# Allegro board T736_DEMO_DBOARD_V0-5-draft.brd (continued)
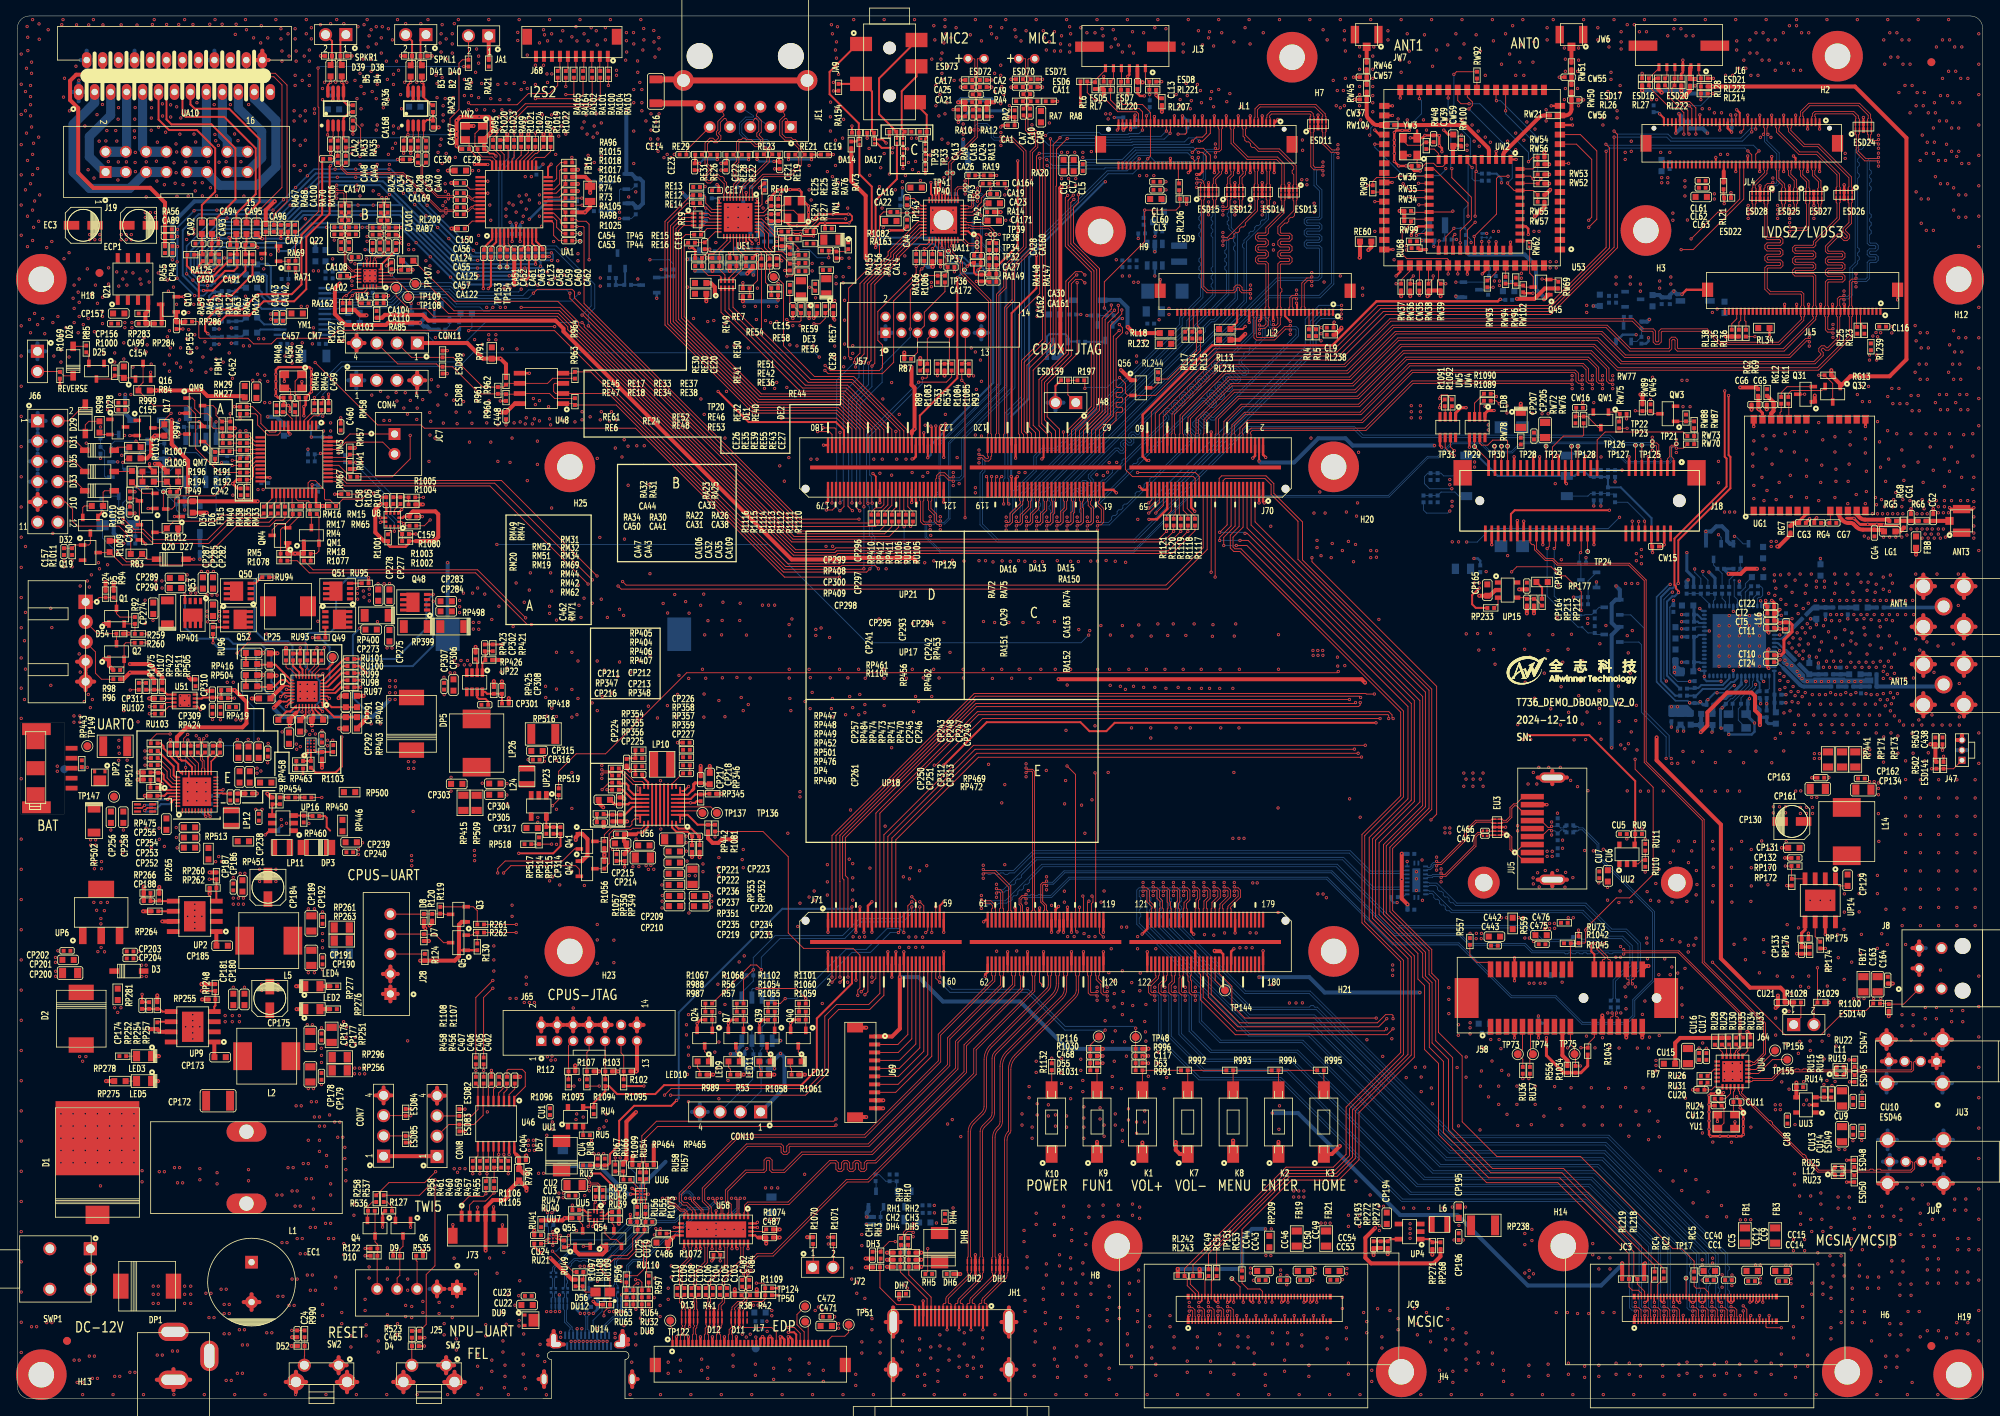
[diagram p0: board, top side]
## Copper pours and planes (outline as drawn; the poured copper is in the pictures) (continued)
GND on BOTTOM: 187.58,125.73 181.23,125.73 178.05,122.56 178.05,121.41 178.44,121.03 200.41,121.03 201.17,120.27 207.14,120.27 209.42,122.56 209.42,130.05 212.09,132.72 212.09,134.49 211.2,135.38 205.99,135.38 204.34,133.73 195.58,133.73
GND on BOTTOM: 138.18,142.11 139.57,142.11 139.7,141.99 139.7,140.72 139.32,140.34 138.18,140.34 138.05,140.46 138.05,141.99
GND on BOTTOM: 76.38,0.25 76.38,4.69 76.86,5.53 76.12,6.15 73.99,6.15 73.99,8.74 74.83,9.58 76.73,9.58 78.36,11.2 78.36,15.93 84.68,22.25 92.86,22.25 93.6,21.51 95.55,21.51 97.03,20.04 97.03,11.23 98.48,9.78 103.12,9.78 104.78,11.43 104.78,19.94 105.79,20.96 113.67,20.96 114.05,21.34 114.05,24.64 114.43,25.02 154.25,25.02 167.77,11.51 180.49,11.51 187.05,4.95 218.69,4.95 220.98,7.24 220.98,30.1 232.66,41.78 232.66,51.44 232.16,51.94 229.49,51.94 228.6,51.05 228.6,44.2 214.88,30.48 214.88,20.19 214.5,19.81 213.49,19.81 206.25,27.05 206.25,27.31 200.2,33.35 180.21,33.35 168.48,45.09 168.48,49.48 175.13,56.13 188.85,56.13 189.74,55.25 192.53,55.25 192.56,55.27 198.7,55.27 198.91,55.07 198.91,48.21 199.11,48.01 201.04,48.01 201.22,48.18 201.22,51.59 201.3,51.66 202.49,51.66 202.74,51.92 202.74,52.68 203.76,53.7 203.76,57.38 201.85,59.28 199.95,59.28 196.75,62.48 182.58,62.48 181.36,63.7 181.36,70.03 186.08,74.75 186.08,90.53 191.85,96.29 195.35,96.29 196.52,95.12 198.63,95.12 199.16,94.59 199.16,81.36 199.42,81.1 200.05,81.1 200.3,81.36 200.3,93.88 200.66,94.23 202.69,94.23 203.2,93.73 203.2,83.26 203.91,82.55 219.56,82.55 220.7,83.69 245.95,83.69 245.95,1.63 244.57,0.26 79.35,0.26 79.35,0.25
GND on BOTTOM: 61.34,130.43 99.31,130.43 101.98,127.76 101.98,111.51 105.16,108.33 105.16,104.27 106.05,103.38 108.08,103.38 108.2,103.5 108.2,109.22 108.31,109.32 108.31,112.22 107.57,112.95 107.57,120.65 114.05,127.13 114.05,132.08 114.17,132.21 121.16,132.21 121.67,131.7 121.67,127.38 113.54,119.25 113.54,117.98 114.81,116.71 114.81,113.79 114.55,113.54 114.55,110.49 114.43,110.36 114.05,110.36 113.41,109.73 113.41,107.82 115.57,105.66 140.26,105.66 147.12,112.52 174.37,112.52 175.51,111.38 175.51,107.57 164.16,96.22 161.16,96.22 159.31,94.36 136.4,94.36 135.25,95.5 106.43,95.5 94.23,107.7 56.16,107.7 51.33,112.52 48.39,112.52 43.97,116.94 43.97,125.83 44.63,126.49 48.41,126.49 48.82,126.9 48.82,128.27 49.58,129.03 55.68,129.03 57.05,130.4 61.32,130.4
GND on BOTTOM: 81.15,99.06 84.96,99.06 85.09,98.93 85.09,93.6 84.84,93.34 81.03,93.34 80.77,93.6 80.77,98.68
GND on BOTTOM: 176.78,115.44 179.58,115.44 179.71,115.32 179.71,114.43 179.58,114.3 176.78,114.3 176.66,114.43 176.66,115.32
GND on BOTTOM: 245.67,142.5 245.57,142.61 245.57,171.78 245.31,172.41 244.68,172.67 101.6,172.67 101.6,160.78 101.6,156.21 80.77,156.21 80.77,172.67 13.34,172.67 13.34,173.05 244.68,173.05 245.57,172.68 245.95,171.78 245.95,142.45 245.88,142.36 245.77,142.39
GND on BOTTOM: 142.62,165.48 150.5,165.48 154.69,161.29 161.04,161.29 164.08,158.24 164.08,155.19 163.7,154.81 162.56,154.81 161.29,153.54 160.66,153.54 158.88,151.76 150.75,151.76 149.73,152.78 149.73,156.97 146.81,159.89 142.75,159.89 142.24,160.4 142.24,165.1
GND on BOTTOM: 110.74,151.38 112.27,151.38 112.39,151.51 112.39,152.65 112.27,152.78 110.62,152.78 110.49,152.65 110.49,151.64
GND on BOTTOM: 185.39,138.33 186.59,138.33 186.77,138.51 186.77,140.51 186.31,140.97 185.04,140.97 184.91,140.84 184.91,140.34 184.78,140.21 184.78,139.83 185.29,139.32 185.29,138.43
GND on BOTTOM: 94.49,144.53 96.39,144.53 96.65,144.27 97.28,144.27 97.41,144.15 97.41,143.38 97.28,143.26 94.49,143.26 94.36,143.38 94.36,144.4
GND on BOTTOM: 43.31,140 44.09,139.22 44.88,139.22 45.59,139.93 45.59,142.42 45.47,142.54 43.56,142.54 43.51,142.49 43.51,141.91 43.31,141.71
GND on BOTTOM: 114.07,150.01 114.45,150.39 118.03,150.39 118.11,150.32 118.11,146.08 117.91,145.87 114.25,145.87 114.07,146.05
GND on BOTTOM: 20.04,102.63 20.04,103.95 20.13,104.04 24.94,104.04 25.08,103.9 25.08,102.48 24.97,102.36 20.31,102.36
GND on BOTTOM: 16.64,78.74 21.46,78.74 24,81.28 32.64,81.28 34.42,79.5 34.42,72.14 30.73,68.45 16.89,68.45 16,69.34 16,72.52 16.38,72.9 17.27,72.9 18.29,73.91 19.3,73.91 19.81,74.42 19.81,75.18 19.43,75.56 16.64,75.56 16.13,76.07 16.13,78.23
GND on BOTTOM: 101.6,140.84 103.63,140.84 103.76,140.72 103.76,139.7 103.63,139.57 101.6,139.57 101.47,139.7 101.47,140.72
GND on BOTTOM: 114.12,21.37 116.05,21.37 116.18,21.5 116.18,24.59 116,24.77 114.17,24.77 114,24.59 114,21.5
GND on BOTTOM: 235.06,121.67 232.77,123.95 223.9,123.95 222.12,125.73 220.85,125.73 219.08,127.51 219.08,128.78 219.46,129.16 233.93,129.16 234.44,129.67 234.44,136.91 233.55,137.8 233.55,157.86 233.3,158.12 231.27,158.12 229.87,156.72 229.87,142.88 229.11,142.11 229.11,139.95 228.35,139.19 228.35,137.8 227.84,137.29 215.77,137.29 214.5,138.56 211.2,138.56 210.82,138.18 207.52,138.18 207.14,137.8 204.85,137.8 204.09,138.56 203.2,138.56 202.31,139.45 197.74,139.45 196.98,140.21 196.98,150.88 197.74,151.64 207.52,151.64 207.9,152.02 207.9,154.05 209.8,155.96 218.82,155.96 219.46,155.32 219.46,151.89 219.84,151.51 220.85,151.51 221.11,151.77 221.11,156.34 220.22,157.23 220.22,158.12 218.69,159.64 216.92,159.64 215.65,158.37 207.52,158.37 206.12,159.77 199.77,159.77 198.56,158.56 198.56,155.38 197.74,154.56 191.52,154.56 190.75,155.32 190.75,158.24 185.8,163.2 181.36,163.2 180.47,164.08 180.47,166.24 180.09,166.62 179.58,166.62 179.2,166.24 179.2,164.34 178.69,163.83 175.39,163.83 175.13,163.58 175.13,160.78 174.37,160.02 167.39,160.02 162.69,164.72 160.53,164.72 159.64,165.61 156.85,165.61 153.67,168.78 129.41,168.78 123.7,163.07 122.56,163.07 122.05,163.58 117.86,163.58 117.48,163.2 117.48,160.91 116.97,160.4 105.79,160.4 104.14,158.75 104.14,143 103.89,142.75 102.74,142.75 102.36,143.13 102.36,152.65 100.71,154.31 93.35,154.31 93.09,154.05 93.09,152.78 92.71,152.4 88.39,152.4 87.88,151.89 83.06,151.89 82.8,151.64 82.8,150.5 82.55,150.24 81.66,150.24 81.28,149.86 81.28,148.46 83.19,146.56 83.19,145.42 83.57,145.03 83.57,141.73 84.71,140.59 92.58,140.59 93.73,139.45 100.2,139.45 101.6,140.84 103.76,140.84 104.14,140.46 104.14,135.51 103,134.37 75.69,134.37 74.8,135.26 74.8,138.56 75.18,138.94 78.61,138.94 78.87,139.19 78.87,139.95 76.2,142.62 76.2,144.02 75.18,145.03 75.18,146.56 75.95,147.32 77.6,147.32 79.12,148.84 79.12,152.4 76.84,154.69 76.84,161.67 76.45,162.05 75.95,162.05 75.69,161.8 75.69,154.81 74.93,154.05 63.25,154.05 62.74,153.54 62.74,152.65 62.99,152.4 70.87,152.4 71.37,151.89 71.37,149.86 70.99,149.48 68.33,149.48 65.41,146.56 61.47,146.56 60.96,147.07 60.96,153.29 62.74,155.07 62.74,158.62 62.1,159.26 59.69,159.26 59.56,159.13 59.56,157.61 60.71,156.46 60.71,155.07 59.94,154.31 59.94,144.4 59.56,144.02 57.4,144.02 48.39,153.04 48.39,155.32 48.13,155.58 34.8,155.58 33.78,156.59 33.78,163.7 32.51,164.97 9.22,164.97 8.74,164.49 8.74,162.94 5.97,160.17 5.97,153.21 8.43,150.75 14.61,150.75 16.64,152.78 23.5,152.78 25.15,151.13 25.15,150.75 24.89,150.5 21.46,150.5 18.54,147.57 18.54,142.75 19.69,141.61 19.69,139.95 23.37,136.27 23.37,133.35 24.13,132.59 27.69,132.59 28.07,132.21 28.07,125.35 27.56,124.84 20.83,124.84 20.57,124.59 20.57,123.57 20.32,123.32 15.37,123.32 14.86,123.83 14.86,125.98 14.48,126.37 12.83,126.37 12.45,125.98 12.45,122.43 12.32,122.3 9.91,122.3 9.65,122.56 9.65,129.29 13.21,132.84 14.86,132.84 15.24,133.22 15.24,135.26 14.86,135.64 11.81,135.64 8.89,132.72 0.89,132.72 0.51,132.33 0.26,132.33 0.26,171.78 0.51,172.03 0.51,172.47 0.89,172.85 1.4,172.85 1.4,172.92 1.52,173.05 80.77,173.05 80.77,156.21 101.6,156.21 101.6,173.05 244.68,173.05 244.88,172.85 245.24,172.85 245.62,172.47 245.62,172.09 245.75,171.96 245.77,171.96 245.95,171.78 245.95,121.67
GND on BOTTOM: 54.99,104.52 93.22,104.52 105.41,92.33 163.58,92.33 172.9,101.65 190.04,101.65 196.93,94.77 196.93,81.86 195.83,80.77 191.41,80.77 188.77,78.13 186.16,78.13 180.47,83.82 48.77,83.82 47.75,84.84 47.75,88.65 52.32,93.22 55.37,93.22 56.01,93.85 56.01,97.54 54.48,99.06 54.48,104.01
GND on BOTTOM: 142.88,137.03 144.65,137.03 144.78,136.91 144.78,134.49 144.65,134.37 142.24,134.37 142.11,134.49 142.11,135.13 142.49,135.51 142.62,135.51 142.75,135.64 142.75,136.91
GND on BOTTOM: 115.47,153.54 117.93,153.54 118.06,153.67 118.06,155.7 117.88,155.88 115.57,155.88 115.39,155.7 115.39,153.62
GND on BOTTOM: 31.19,115.7 31.9,115.7 31.95,115.65 31.95,114.4 31.9,114.35 31.22,114.35 31.14,114.43 31.14,115.65
GND on BOTTOM: 92.24,149.57 92.33,149.48 92.33,148.59 92.2,148.46 92.2,146.69 92.08,146.56 90.68,146.56 90.42,146.3 87.78,146.3 87.6,146.48 87.6,149.15 87.66,149.2 87.78,149.2 88.15,149.57
GND on BOTTOM: 44.6,102.11 44.95,102.45 46.95,102.45 47.23,102.17 47.23,101.08 47.09,100.94 44.81,100.94 44.6,101.14
GND on BOTTOM: 39.62,164.47 39.75,164.34 39.75,162.56 39.62,162.43 37.97,162.43 37.85,162.56 37.85,164.34 37.97,164.47
GND on BOTTOM: 47.75,163.96 49.53,163.96 49.78,163.7 49.78,161.67 49.66,161.54 47.75,161.54 47.62,161.67 47.62,163.83
GND on BOTTOM: 118.72,31.78 115.95,34.54 98.04,34.54 96.65,35.94 96.65,47.24 104.78,55.37 107.32,55.37 109.73,57.79 111,57.79 111.63,58.42 111.63,59.82 113.41,61.6 113.41,62.23 112.4,63.25 111.76,63.25 111.51,62.99 111.51,61.47 110.49,60.45 105.28,60.45 103.12,58.29 94.74,58.29 91.69,55.25 91.69,54.36 89.03,51.69 89.03,49.02 90.81,47.24 90.81,46.36 90.04,45.59 90.04,44.96 88.77,43.69 88.77,43.05 90.42,41.4 90.42,38.99 88.77,37.34 87.5,37.34 86.87,36.7 86.87,34.8 86.36,34.29 85.22,34.29 83.31,36.2 83.31,48.39 95.89,60.96 104.52,60.96 104.9,61.34 104.9,61.98 104.65,62.23 104.14,62.23 103.73,61.82 97.84,61.82 97.41,62.26 97.41,62.61 102.36,67.56 119.76,67.56 120.4,66.93 120.4,61.72 120.52,61.6 121.29,61.6 121.54,61.34 124.33,61.34 125.25,62.26 129.51,62.26 131.78,64.52 138.68,64.52 139.57,63.63 139.57,59.69 144.78,54.48 144.78,53.34 143.76,52.32 142.11,52.32 141.86,52.07 141.86,44.83 147.09,39.6 158.09,39.6 158.65,39.04 158.65,36.65 158.32,36.32 156.85,36.32 156.72,36.2 156.72,35.56 158.41,33.87 158.41,32.14 158.04,31.78
GND on BOTTOM: 205.61,154.81 206.5,154.81 206.63,154.69 207.26,154.69 207.39,154.81 207.39,156.34 207.26,156.46 205.61,156.46 205.49,156.34 205.49,154.94
GND on BOTTOM: 89.15,144.53 90.17,144.53 90.3,144.4 90.3,143 90.17,142.88 89.15,142.88 89.03,143 89.03,144.4
GND on BOTTOM: 197.15,116.08 198.65,116.08 198.73,116.15 198.73,118.31 198.6,118.44 197.21,118.44 197.1,118.34 197.1,116.13
GND on BOTTOM: 179.58,103.38 180.75,103.38 180.8,103.43 180.8,107.62 180.7,107.72 179.58,107.72 179.5,107.65 179.5,103.45
GND on BOTTOM: 181.74,47.5 183.39,47.5 183.51,47.37 183.51,46.48 183.77,46.23 183.77,45.47 183.51,45.21 181.74,45.21 181.61,45.34 181.61,47.37
GND on BOTTOM: 175.95,67.06 175.95,62.94 176.25,62.64 176.25,62.38 176.05,62.18 175.67,62.18 175.29,62.56 175.29,63.22 175.23,63.27 174.7,63.27 174.55,63.42 174.55,64.47 173.81,64.47 173.76,64.52 173.76,64.92 173.79,64.95 174.55,64.95 174.55,66.57 174.65,66.67 175.26,66.67 175.29,66.7 175.29,67.36 175.74,67.82 176.07,67.82 176.28,67.61 176.28,67.39
GND on BOTTOM: 89.79,152.4 92.46,152.4 92.58,152.53 92.58,154.05 92.33,154.31 89.79,154.31 89.66,154.18 89.66,152.53
GND on BOTTOM: 33.66,132.59 37.97,132.59 38.1,132.46 38.1,131.83 37.85,131.57 37.85,126.75 36.7,125.6 36.7,123.44 36.32,123.06 34.67,123.06 32.38,125.35 30.1,125.35 29.46,125.98 29.46,128.4 31.62,130.56 33.17,130.56 33.53,130.91 33.53,132.46
GND on BOTTOM: 176.81,112.73 180.09,112.73 180.16,112.65 180.16,111.68 180.04,111.56 176.76,111.56 176.71,111.61 176.71,112.62
GND on BOTTOM: 146.94,64.77 163.09,64.77 169.15,58.71 169.15,54.6 167,52.45 163.14,52.45 162.13,53.47 151.51,53.47 146.69,58.29 146.69,64.52
GND on BOTTOM: 62.31,0.25 62.31,0.26 1.65,0.26 0.26,1.65 0.26,13.72 0.38,13.84 0.38,14.1 8.26,6.22 21.72,6.22 23.11,7.62 23.11,15.62 22.1,16.64 17.78,16.64 7.37,27.05 7.37,35.81 7.62,36.07 8.64,36.07 12.95,31.75 14.99,31.75 17.4,29.34 31.88,29.34 34.42,31.88 34.42,37.47 32.39,39.5 32.39,57.02 35.31,59.94 40.13,59.94 49.94,69.75 64.67,69.75 68.76,65.66 80.9,65.66 86.36,71.12 94.87,71.12 95.38,70.61 95.38,69.6 78.61,52.83 61.21,52.83 56.64,48.26 47.19,48.26 45.49,49.96 45.49,58.65 45.21,58.93 37.72,58.93 37.34,58.55 37.34,55.25 38.1,54.48 39.88,54.48 40.39,53.98 40.39,48.39 40.01,48.01 38.23,48.01 37.34,47.12 37.34,40.26 40.26,37.34 40.26,36.58 40.89,35.94 71.37,35.94 74.55,32.77 74.55,31.06 73.96,30.48 70.66,30.48 69.98,31.17 69.98,32.51 69.72,32.77 63.63,32.77 63.37,32.51 63.37,31.24 64.14,30.48 64.14,30.23 63.88,29.97 54.61,29.97 53.59,28.96 53.59,25.53 54.99,24.13 64.77,24.13 65.66,23.24 65.66,21.08 66.42,20.32 66.42,10.95 68.81,8.56 68.81,7.39 69.01,7.19 69.01,6.15 66.88,6.15 66.14,5.53 66.63,4.69 66.63,0.25
GND on BOTTOM: 191.26,107.95 191.39,107.82 191.39,105.79 191.01,105.41 185.29,105.41 185.04,105.66 185.04,107.7 185.29,107.95
GND on L2GND: 61.42,0.25 61.42,0.26 1.52,0.26 0.63,0.63 0.26,1.52 0.26,171.78 0.63,172.68 1.52,173.05 244.68,173.05 245.57,172.68 245.95,171.78 245.95,121.67 235.06,121.67 232.77,123.95 223.12,123.95 223.01,124.06 223.01,124.69 222.23,125.48 220.55,125.48 219.64,126.39 216.79,126.39 216.03,125.63 216.03,110.77 218.08,108.71 229.38,108.71 231.03,107.06 245.85,107.06 245.95,107.06 245.95,104.14 224.51,104.14 222.36,106.3 209.83,106.3 204.6,101.07 204.6,85.24 207.29,82.55 219.56,82.55 220.7,83.69 245.95,83.69 245.95,1.52 245.57,0.63 244.68,0.26 81.1,0.26 81.1,0.25 76.38,0.25 76.38,4.69 76.86,5.53 76.12,6.15 66.88,6.15 66.14,5.53 66.63,4.69 66.63,0.25
GND on L3: 119.89,127 168.28,127 168.53,126.75 168.53,124.97 167.64,124.08 120.65,124.08 119.38,125.35 119.38,126.49
GND on L3: 120.4,63.98 121.87,63.98 122.73,64.85 124.99,64.85 126.09,65.94 129.34,65.94 129.9,65.38 129.9,61.29 127.43,58.83 120.75,58.83 120.02,59.56 120.02,63.6
GND on L3: 65.02,105.66 70.23,105.66 70.99,104.9 70.99,101.73 71.25,101.47 75.95,101.47 77.34,102.87 90.93,102.87 91.69,102.11 91.69,97.54 91.06,96.9 64.14,96.9 62.87,95.63 56.39,95.63 56.13,95.89 56.13,96.77
GND on L3: 67.31,93.85 99.06,93.85 100.71,95.5 133.1,95.5 135.13,97.54 176.02,97.54 177.04,96.52 191.26,96.52 192.41,97.66 202.69,97.66 204.6,95.76 204.6,83.69 204.19,83.29 176.25,83.29 172.77,79.81 141.81,79.81 136.65,84.96 72.64,84.96 62.74,75.06 60.71,75.06 59.82,75.95 51.44,75.95 46.61,80.77 46.61,89.66 48.13,91.19 51.18,91.19 52.7,92.71 66.17,92.71 69.98,88.9 131.7,88.9 132.08,89.28 132.08,89.66 131.83,89.92 70.61,89.92 67.18,93.34 67.18,93.73
GND on L3: 17.78,103 21.84,103 22.23,102.62 25.91,102.62 26.42,103.12 32.26,103.12 33.15,102.23 57.28,102.23 57.78,101.73 57.78,100.2 53.72,96.14 45.59,96.14 45.21,96.52 30.61,96.52 29.97,97.16 16.76,97.16 13.72,94.11 13.08,94.11 12.7,94.49 12.7,97.92
GND on L3: 1.52,0.25 1.43,0.35 1.16,0.35 0.72,0.79 0.72,1.07 0.5,1.29 0.49,1.29 0.25,1.52 0.26,1.53 0.26,171.79 0.42,171.96 0.43,171.96 0.51,172.03 0.51,172.31 0.97,172.77 1.24,172.77 1.52,173.05 244.68,173.05 244.82,172.91 244.82,172.87 244.87,172.82 245.07,172.82 245.85,172.03 245.85,171.87 245.95,171.78 245.95,121.67 235.06,121.67 232.77,123.95 223.12,123.95 223.01,124.06 223.01,124.69 222.23,125.48 220.55,125.48 219.64,126.39 216.79,126.39 216.03,125.63 216.03,123.83 215.82,123.62 215.21,123.62 214.88,123.94 214.88,125.98 214.38,126.49 214.38,129.41 208.66,135.13 194.56,135.13 193.8,135.89 193.8,136.4 198.76,141.35 211.07,141.35 216.66,146.94 216.66,159 215.9,159.77 215.9,160.91 215.52,161.29 214.63,161.29 214.38,161.04 214.38,160.78 215.01,160.15 215.01,154.69 215.65,154.05 215.65,150.75 215.27,150.37 214.25,150.37 213.11,151.51 208.41,151.51 207.65,152.27 199.52,152.27 198.76,151.51 196.34,151.51 195.07,152.78 195.07,155.07 194.69,155.45 189.1,155.45 187.83,154.18 183.39,154.18 182.25,155.32 170.82,155.32 167.13,159 167.13,161.93 166.24,162.81 157.73,162.81 155.58,160.66 139.19,160.66 138.3,161.54 118.75,161.54 114.94,157.73 108.08,157.73 107.95,157.61 107.95,157.23 108.2,156.97 115.19,156.97 117.73,154.43 125.6,154.43 127.64,156.46 138.56,156.46 138.94,156.08 138.94,154.81 136.14,152.02 131.83,152.02 131.19,151.38 131.19,150.5 131.83,149.86 136.78,149.86 140.46,153.54 142.37,153.54 142.75,153.16 142.75,146.56 143,146.3 151.77,146.3 151.89,146.18 151.89,144.02 150.5,142.62 133.6,142.62 131.83,140.84 131.83,139.95 131.19,139.32 116.21,139.32 111.51,144.02 99.31,144.02 97.92,142.62 84.2,142.62 80.01,146.81 78.49,146.81 76.2,149.1 74.8,149.1 74.17,148.46 71.25,148.46 70.61,149.1 68.07,149.1 65.79,146.81 59.56,146.81 59.18,147.19 59.18,147.7 62.61,151.13 68.07,151.13 69.34,152.4 84.71,152.4 85.22,152.91 100.71,152.91 104.14,149.48 118.87,149.48 119.63,150.24 120.52,150.24 120.78,150.5 120.78,151.26 120.52,151.51 120.14,151.51 119.38,152.27 116.08,152.27 114.81,151 105.92,151 100.71,156.21 84.58,156.21 82.3,153.92 65.53,153.92 64.9,154.56 55.88,154.56 54.86,153.54 52.58,153.54 50.04,151 50.04,148.84 49.28,148.08 41.02,148.08 39.5,146.56 38.23,146.56 36.83,145.16 36.83,144.78 37.21,144.4 37.47,144.4 38.74,145.67 39.88,145.67 41.28,147.07 52.71,147.07 52.77,147 52.77,146.62 45.47,139.32 41.28,139.32 39.62,137.67 38.1,137.67 35.56,135.13 35.56,132.72 34.93,132.08 30.35,132.08 30.1,131.83 27.94,131.83 24.64,128.52 12.83,128.52 12.32,128.02 12.32,125.6 13.08,124.84 13.08,120.9 12.57,120.4 8.89,120.4 8.51,120.02 8.51,119.38 8.64,119.25 14.1,119.25 14.73,118.62 16.51,118.62 16.76,118.36 16.76,115.19 16.38,114.81 15.75,114.81 15.49,114.55 15.49,114.05 15.88,113.67 17.53,113.67 19.69,115.82 25.02,115.82 25.78,115.06 25.78,113.41 21.08,108.71 12.07,108.71 11.3,107.95 11.3,106.17 12.7,104.78 12.7,101.98 9.65,98.93 9.65,81.53 7.87,79.76 7.87,78.36 9.53,76.71 17.15,76.71 17.91,77.47 25.78,77.47 27.43,79.12 31.37,79.12 36.58,73.91 40.39,73.91 44.07,70.23 44.07,40.89 42.29,39.12 42.29,27.31 45.09,24.51 63.96,24.51 65.41,23.06 65.41,21.23 64.52,20.35 64.52,15.11 66.55,13.08 66.55,8.53 64.79,6.77 64.79,0.25
GND on L3: 120.98,54.94 120.98,52.63 121.95,51.66 125.04,51.66 129.18,55.8 142.98,55.8 143.03,55.85 143.03,56.67 142.77,56.92 122.96,56.92
GND on L3: 108.2,53.47 114.81,53.47 117.68,56.34 118.19,56.34 119.05,55.47 119.05,45.9 103.76,30.61 97.28,30.61 96.52,31.37 96.52,32.38 107.7,43.56 107.7,52.96
GND on L3: 62.61,0.25 62.61,13.21 80.21,13.21 81.03,14.02 95.05,14.02 98.43,17.4 102.29,17.4 103.99,19.1 103.99,24.38 126.14,46.53 126.14,49.76 130.23,53.85 146.05,53.85 149.35,50.55 182.73,50.55 186.31,46.96 186.31,42.49 189.08,39.73 205.54,39.73 206.02,40.21 206.02,43.03 205.33,43.71 193.73,43.71 192.43,45.01 190.47,45.01 190.35,45.14 190.35,48.79 186.49,52.65 186.49,56.67 187.76,57.94 191.21,57.94 191.74,58.47 194.95,58.47 195.43,58.95 195.76,58.95 196.34,58.37 207.9,58.37 208.99,57.28 208.99,56.64 209.17,56.46 210.24,56.46 210.39,56.62 210.39,57.23 207.72,59.89 196.01,59.89 195.63,60.27 195.63,62.05 195.07,62.61 182.37,62.61 181.51,61.75 170.69,61.75 168.15,64.29 168.15,66.78 180.7,79.32 200.43,79.32 201.24,78.51 239.93,78.51 240.21,78.79 240.21,79.27 240.03,79.45 209.55,79.45 208.28,80.72 208.28,81.13 208.56,81.41 240.41,81.41 240.79,81.79 240.79,83.22 241.26,83.69 245.95,83.69 245.95,1.6 244.6,0.26 80.67,0.26 80.67,0.25 76.38,0.25 76.38,4.69 76.86,5.53 76.12,6.15 66.88,6.15 66.14,5.53 66.63,4.69 66.63,0.25
GND on L3: 46.61,65.79 58.29,65.79 63.12,60.96 73.15,60.96 78.23,55.88 87.63,55.88 88.52,54.99 88.52,53.47 87.88,52.83 59.18,52.83 58.67,52.32 58.67,50.67 59.56,49.78 99.31,49.78 100.08,49.02 100.08,46.61 97.16,43.69 80.77,43.69 78.74,41.66 71.12,41.66 67.31,45.47 48.64,45.47 48.39,45.21 48.39,44.45 48.64,44.2 64.39,44.2 64.77,43.81 65.41,43.81 66.17,43.05 67.69,43.05 70.61,40.13 70.61,39.88 70.36,39.62 63.63,39.62 60.45,36.45 58.42,36.45 58.17,36.2 58.17,35.69 58.42,35.43 60.96,35.43 64.26,38.73 70.36,38.73 70.99,38.1 96.9,38.1 97.41,37.59 97.41,35.81 96.24,34.65 74.52,34.65 67.92,28.04 65.05,28.04 62.99,30.1 61.98,30.1 60.96,31.11 57.91,31.11 54.23,34.8 54.23,35.81 53.47,36.58 51.56,36.58 51.05,36.07 48.77,36.07 48.13,35.43 48.13,33.02 48.77,32.38 50.67,32.38 51.18,31.88 51.18,26.42 50.67,25.91 45.72,25.91 43.69,27.94 43.69,38.61 45.47,40.39 45.47,64.64
GND on L3: 116.59,121.41 170.05,121.41 170.69,120.78 170.69,118.11 165.86,113.28 121.41,113.28 121.03,113.67 121.03,116.2 121.67,116.84 142.11,116.84 142.37,117.09 142.37,117.86 141.86,118.36 125.98,118.36 125.22,117.6 122.05,117.6 121.03,118.62 120.27,118.62 119.38,117.73 115.57,117.73 115.06,118.24 115.06,119.89
GND on L3: 60.33,148.34 51.18,148.34 44.96,142.11 44.96,139.32 50.62,139.32 51.64,138.3 55.5,138.3 59.18,141.99 61.21,141.99 68.33,149.1 68.33,149.73 61.72,149.73
GND on L3: 80.95,26.95 91.16,26.95 93.32,24.79 93.32,19.94 91.49,18.11 81.38,18.11 79.45,20.04 79.45,25.45
GND on L3: 63.93,131.32 58.6,136.65 58.6,136.88 58.75,137.03 78.36,137.03 79.88,135.51 106.93,135.51 107.7,134.75 107.7,133.48 107.19,132.97 101.98,132.97 100.33,131.32
GND on L3: 183.13,129.67 199.26,129.67 203.2,125.73 212.22,125.73 213.11,124.84 215.01,124.84 215.9,123.95 215.9,112.39 215.52,112.01 213.36,112.01 210.57,109.22 205.74,109.22 204.34,110.62 200.03,110.62 199.9,110.49 192.41,110.49 188.47,114.43 178.56,114.43 178.05,114.94 178.05,116.71 179.07,117.73 185.42,117.73 186.44,118.75 186.44,125.6 185.67,126.36 182.88,126.36 181.86,127.38 181.86,128.4
GND on L3: 222.12,108.71 229.38,108.71 231.03,107.06 245.95,107.06 245.95,107.06 245.95,104.14 224.51,104.14 221.76,106.89 221.76,108.35
GND on L4: 153.54,142.88 157.61,142.88 158.12,142.37 158.12,137.67 157.86,137.41 154.69,137.41 154.43,137.67 154.43,139.06 154.31,139.19 153.42,139.19 153.03,138.81 153.03,136.91 153.42,136.53 156.21,136.53 159,133.73 159.38,133.73 159.51,133.6 159.51,130.68 158.12,129.29 158.12,122.17 156.97,121.03 156.97,114.81 156.46,114.3 153.03,114.3 152.53,114.81 152.53,141.86
GND on L4: 1.52,173.05 244.68,173.05 244.93,172.8 245.31,172.8 245.68,172.43 245.68,172.05 245.95,171.78 245.95,121.67 235.06,121.67 232.77,123.95 228.98,123.95 227.97,124.97 227.97,129.03 227.33,129.67 218.82,129.67 218.19,130.3 218.19,136.02 227.84,145.67 227.84,155.7 225.17,158.37 222.38,158.37 220.47,160.27 216.41,160.27 215.27,161.42 214.5,161.42 214.12,161.04 214.12,160.27 214.88,159.51 219.33,159.51 221.23,157.61 224.41,157.61 226.95,155.07 226.95,150.24 226.06,149.35 215.9,149.35 215.01,148.46 215.01,144.27 214.38,143.64 213.61,143.64 212.73,144.53 211.07,144.53 208.28,141.73 208.28,140.21 209.17,139.32 209.17,138.18 206.63,135.64 205.36,135.64 205.11,135.89 205.11,141.86 209.8,146.56 209.8,148.34 209.55,148.59 209.04,148.59 208.66,148.21 208.66,146.69 203.96,141.99 203.96,136.14 203.33,135.51 195.45,135.51 195.07,135.89 195.07,137.03 200.03,141.99 200.03,146.81 202.82,149.61 205.61,149.61 212.22,156.21 212.22,159.13 211.96,159.39 208.66,159.39 208.41,159.64 208.41,159.89 210.82,162.31 211.33,162.31 211.46,162.43 211.46,162.94 211.2,163.2 210.06,163.2 197.1,150.24 197.1,143.51 194.31,140.72 192.28,140.72 191.14,141.86 191.14,149.1 192.79,150.75 192.79,156.34 192.28,156.85 190.88,156.85 190.5,156.46 190.5,152.78 187.07,149.35 185.04,149.35 182.37,152.02 182.37,157.23 181.99,157.61 180.59,157.61 180.21,157.23 180.21,153.04 180.09,152.91 171.96,152.91 170.82,154.05 170.82,157.86 169.8,158.88 168.28,158.88 167.64,159.51 167.64,162.18 167.01,162.81 164.08,162.81 163.7,162.43 163.7,153.67 163.45,153.42 146.81,153.42 145.92,154.31 145.92,159 145.8,159.13 145.29,159.13 144.91,158.75 144.91,149.99 143.38,148.46 143.38,139.7 141.86,138.18 139.95,138.18 138.18,139.95 138.18,143 137.92,143.26 137.16,143.26 134.11,146.3 134.11,152.65 134.62,153.16 134.75,153.16 135.89,152.02 136.4,152.02 136.78,152.4 136.78,152.78 136.27,153.29 136.27,162.43 136.78,162.94 136.78,163.58 136.53,163.83 133.35,163.83 131.32,161.8 129.79,161.8 128.78,162.81 123.95,162.81 123.7,162.56 123.7,161.04 123.95,160.78 125.35,160.78 125.73,160.4 125.73,145.8 125.22,145.29 120.02,145.29 119.89,145.16 119.89,144.15 120.02,144.02 127.64,144.02 128.14,143.51 128.14,127.13 121.29,120.27 120.14,120.27 119.63,120.78 119.63,122.17 120.4,122.94 120.4,128.52 120.02,128.91 117.09,128.91 115.44,130.56 115.44,136.02 114.81,136.65 114.81,140.84 115.19,141.22 115.19,142.11 114.81,142.49 111.38,142.49 111.13,142.75 111.13,148.46 112.78,150.11 113.92,150.11 115.95,152.15 115.95,155.07 114.81,156.21 113.79,156.21 112.52,157.48 109.86,157.48 109.47,157.1 109.47,154.94 106.55,152.02 82.55,152.02 79.12,148.59 79.12,121.54 78.49,120.9 75.06,120.9 74.3,120.14 74.3,117.48 64.77,107.95 64.77,99.44 64.01,98.68 53.85,98.68 53.09,99.44 53.09,120.65 51.31,122.43 51.31,123.77 56.34,128.8 56.34,131.17 56.16,131.34 55.52,131.34 55.42,131.24 55.42,129.16 50.55,124.28 50.55,112.78 51.94,111.38 51.94,109.6 51.31,108.97 28.7,108.97 27.81,109.86 27.81,110.74 28.96,111.89 45.09,111.89 45.34,111.63 45.85,111.63 46.1,111.89 46.1,112.4 45.59,112.9 31.5,112.9 30.35,114.05 30.35,122.43 27.43,125.35 27.43,127.51 27.05,127.89 26.04,127.89 23.11,124.97 23.11,109.47 21.46,107.82 19.81,107.82 19.3,108.33 19.3,118.36 18.67,119 18.67,128.27 18.16,128.78 18.16,141.35 17.91,141.61 17.4,141.61 17.02,141.22 17.02,127.38 16.13,126.49 11.05,126.49 9.53,124.97 9.53,113.03 2.41,105.92 2.41,66.93 6.73,62.61 6.73,47.12 7.24,46.61 13.46,46.61 13.84,46.99 13.84,49.91 10.92,52.83 10.92,64.52 11.68,65.28 11.68,69.98 10.03,71.63 10.03,85.85 9.53,86.36 7.37,86.36 6.73,87 6.73,104.14 11.05,108.46 11.81,108.46 12.32,107.95 12.32,105.16 10.03,102.87 10.03,94.23 11.56,92.71 11.56,90.68 14.48,87.76 14.48,84.58 15.49,83.57 15.49,79.12 16,78.61 17.91,78.61 19.43,77.09 19.43,72.26 19.94,71.76 19.94,53.34 22.61,50.67 23.37,50.67 23.62,50.93 23.62,51.18 20.96,53.85 20.96,63.75 21.72,64.52 24.38,64.52 25.91,66.04 36.96,66.04 39.37,63.63 39.37,46.23 40.13,45.47 41.91,45.47 42.55,46.1 42.55,63.25 42.8,63.5 48.77,63.5 49.91,62.36 49.91,49.4 48.26,47.75 48.26,39.12 44.7,35.56 44.7,19.05 47.88,15.88 59.77,15.88 60.2,15.44 60.2,0.27 60.19,0.26 1.62,0.26 0.35,1.53 0.25,1.53 0.25,5.1 0.26,5.11 0.26,123.85 0.26,123.86 0.26,171.6 0.45,171.79 0.45,172.21 1.05,172.81 1.36,172.81 1.52,172.97
GND on L4: 78.08,0.25 76.38,0.25 76.38,4.69 76.86,5.53 76.12,6.15 66.88,6.15 66.14,5.53 66.63,4.69 66.63,0.25 56.11,0.25 56.11,12.55 59.79,16.23 74.04,16.23 76.63,18.82 79.17,18.82 79.58,19.23 79.58,27.79 82.3,30.51 82.3,38.61 81.28,39.62 81.28,60.71 74.55,67.44 74.55,77.22 79.76,82.42 79.76,102.39 80.01,102.64 80.01,143 79.76,143.26 79.25,143.26 78.99,143 78.61,143.38 78.61,149.86 81.66,152.91 83.44,152.91 88.77,158.24 107.06,158.24 109.73,155.58 110.87,155.58 111.63,154.81 111.63,152.27 108.33,148.97 103.25,148.97 102.87,148.59 102.87,143.89 102.36,143.38 97.03,143.38 96.77,143.13 96.77,142.62 97.54,141.86 97.54,140.21 98.3,139.45 98.3,134.49 99.7,133.1 99.7,122.17 94.74,117.22 94.74,115.06 96.77,113.03 96.77,101.09 96.14,100.46 92.84,100.46 92.2,99.82 92.2,39.62 93.98,37.85 93.98,33.78 92.2,32 92.2,25.78 92.96,25.02 94.23,25.02 96.01,23.24 96.01,8.26 96.39,7.87 97.16,7.87 97.54,8.26 97.54,23.11 115.06,40.64 115.44,40.64 116.08,40.01 116.08,36.83 104.52,25.27 104.52,22.73 107.32,19.94 108.59,19.94 109.98,18.54 112.4,18.54 112.78,18.16 119.38,18.16 124.71,23.5 124.71,42.04 130.43,47.75 135.76,47.75 137.03,49.02 137.03,51.82 136.78,52.07 134.75,52.07 133.99,51.31 129.54,51.31 122.17,43.94 121.41,43.94 120.29,45.06 120.29,113.69 121.41,114.81 123.32,114.81 123.83,115.32 123.83,119.76 130.68,126.62 130.68,159.89 133.1,162.31 134.75,162.31 135.26,161.8 135.26,151.64 138.94,147.96 138.94,144.78 135.51,141.35 135.51,136.53 136.25,135.79 136.25,119.28 139.7,115.82 139.7,110.03 140.11,109.63 140.64,109.63 140.97,109.96 140.97,112.57 142.14,113.74 142.14,116.51 139.73,118.92 139.73,127.99 140.84,129.11 140.84,129.13 142.37,130.66 142.37,137.92 144.27,139.83 144.27,147.7 145.54,148.97 145.54,153.92 148.21,156.59 156.97,156.59 159,154.56 159,153.67 158.12,152.78 158.12,146.05 157.61,145.54 152.27,145.54 149.86,143.13 149.86,112.01 153.54,108.33 153.54,72.64 151.77,70.87 151.77,69.85 152.4,69.22 152.4,65.53 151.38,64.52 146.94,64.52 146.3,63.88 146.3,54.86 144.65,53.21 144.65,11.76 146.63,9.78 151.89,9.78 152.02,9.91 152.02,20.07 152.15,20.19 157.99,20.19 159,21.21 165.61,21.21 166.24,21.84 166.24,43.82 169.42,46.99 170.03,46.99 174.12,51.08 174.12,59 168.17,64.95 168.17,79.15 169.35,80.33 169.35,81.34 179.45,91.44 179.45,109.09 181.36,111 181.36,120.14 182.25,121.03 183.9,121.03 184.28,120.65 184.28,108.71 189.74,103.25 189.74,97.16 190.25,96.65 193.29,96.65 193.68,97.03 193.68,103.89 188.91,108.65 188.91,123.76 190.25,125.1 196.47,125.1 196.98,124.59 196.98,123.95 191.77,118.75 191.77,114.43 192.15,114.05 193.29,114.05 193.68,114.43 193.68,118.49 198.63,123.44 203.58,123.44 204.47,124.33 204.47,125.48 205.23,126.24 205.23,128.02 205.49,128.27 211.07,128.27 211.96,127.38 211.96,121.54 200.28,109.86 200.28,102.87 199.64,102.24 199.64,101.6 200.03,101.22 200.53,101.22 201.42,102.11 201.42,108.71 202.57,109.86 202.57,110.74 212.98,121.16 212.98,126.49 213.49,127 215.77,127 216.03,126.75 216.03,110.77 218.08,108.71 229.38,108.71 231.03,107.06 231.04,107.06 245.95,107.06 245.95,104.14 224.51,104.14 222.36,106.3 220.49,106.3 220.37,106.43 220.24,106.3 209.83,106.3 204.6,101.07 204.6,85.24 207.29,82.55 219.56,82.55 220.7,83.69 245.95,83.69 245.95,1.52 244.68,0.26 175.11,0.26 175.11,0.25 ; 1 cut-out
GND on L4: 19.43,92.08 24.89,92.08 28.83,88.14 30.73,88.14 31.5,87.38 32.77,87.38 33.53,86.61 33.53,84.33 34.04,83.82 34.92,83.82 36.58,82.17 36.58,76.83 37.85,75.56 47.88,75.56 49.02,74.42 49.02,69.6 48.26,68.83 22.99,68.83 21.46,70.36 21.46,72.26 20.83,72.9 20.83,77.98 18.67,80.14 18.67,91.31
GND on L4: 117.35,119.89 117.98,119.25 117.98,117.22 117.6,116.84 117.6,95.5 116.08,93.98 116.08,81.28 114.55,79.76 114.55,59.56 114.43,59.44 114.43,42.16 96.01,23.75 96.01,23.24 95.38,22.61 93.22,22.61 91.57,24.26 91.57,24.77 92.33,25.53 95.63,25.53 96.14,26.04 96.14,29.72 98.68,32.26 98.68,38.86 96.14,41.4 96.14,99.57 93.98,101.73 93.98,120.02 97.28,123.32 98.93,123.32 99.69,122.56 99.69,121.28 100.58,120.4 100.58,106.81 101.35,106.05 105.92,106.05 107.06,104.9 107.06,74.68 106.68,74.3 104.14,74.3 103.89,74.04 103.89,71.25 105.03,70.1 105.03,61.59 107.16,59.46 107.16,53.57 106.68,53.09 106.68,51.94 106.93,51.69 109.98,51.69 111,52.7 111,53.85 109.73,55.12 109.73,65.15 110.87,66.29 110.87,102.34 113.16,104.62 113.16,107.49 113.36,107.7 114.55,107.7 114.94,108.08 114.94,108.46 114.68,108.71 114.22,108.71 113.89,109.04 113.89,114.58 113.28,115.19 113.28,119.63 113.54,119.89
GND on L4: 27.94,99.95 31.11,103.12 46.1,103.12 46.74,102.49 46.74,101.09 44.96,99.31 44.96,98.42 44.2,97.66 36.7,97.66 35.56,96.52 30.99,96.52 30.73,96.27 30.73,95.63 34.54,91.82 34.54,89.79 34.16,89.41 32.51,89.41 31.75,90.17 29.59,90.17 26.29,93.47 22.61,93.47 20.19,95.89 20.19,99.31 20.83,99.95
GND on L5GND: 59.41,0.25 59.41,0.26 1.52,0.26 0.63,0.63 0.26,1.52 0.26,171.78 0.63,172.68 1.52,173.05 244.68,173.05 245.57,172.68 245.95,171.78 245.95,121.67 235.06,121.67 232.77,123.95 223.12,123.95 223.01,124.06 223.01,124.69 222.23,125.48 220.55,125.48 219.64,126.39 216.79,126.39 216.03,125.63 216.03,110.77 218.08,108.71 229.38,108.71 231.03,107.06 245.85,107.06 245.95,107.16 245.95,104.14 224.51,104.14 222.36,106.3 209.83,106.3 204.6,101.07 204.6,85.24 207.29,82.55 219.56,82.55 220.7,83.69 245.95,83.69 245.95,1.52 245.57,0.63 244.68,0.26 86.26,0.26 86.26,0.25 76.38,0.25 76.38,4.69 76.86,5.53 76.12,6.15 73.99,6.15 73.99,6.22 73.2,7.01 70.12,7.01 69.27,6.15 66.88,6.15 66.14,5.53 66.63,4.69 66.63,0.25
GND-BAT on TOP: 9.47,78.35 9.28,78.54 9.28,79.46 8.97,79.78 4.98,79.78 4.06,80.7 0.97,80.7 0.58,81.08 0.58,84.71 1.12,85.24 13.07,85.24 13.54,85.71 16.22,85.71 16.69,85.24 19.47,85.24 20.17,85.94 20.17,89.2 20.54,89.57 22.67,89.57 22.78,89.46 22.78,88.23 22.66,88.1 21.88,88.1 21.7,87.92 21.7,85.27 20.07,83.63 12.38,83.63 11.28,82.52 11.28,78.45 11.18,78.35
GND_ADC on BOTTOM (solid shape): 222.39,92.33 222.43,92.3 222.95,91.77 222.99,91.73 223.98,90.75 223.98,90.27 224.99,90.27 224.99,90.4 226.6,90.4 226.65,90.4 227.39,90.4 227.45,90.4 228.98,90.4 228.98,90.27 229.99,90.27 230.43,90.27 231.42,90.27 231.42,90.4 232.06,90.4 232.11,90.4 232.51,90.4 232.51,89.63 232.11,89.63 232.06,89.64 229.99,89.64 229.93,89.63 229.19,89.63 229.14,89.64 228.08,89.64 228.03,89.63 227.29,89.63 227.23,89.64 223.86,89.64 223.72,89.67 223.59,89.75 221.5,91.84 221.4,91.91 221.28,91.95 221.26,91.95 221.02,92.19 220.99,92.27 221.16,92.59 221.06,92.84 221.03,92.91 221.04,92.98 221.1,93.14 221.08,93.3 221.08,93.4 221.17,93.45 221.28,93.45
GND_ADC on TOP, L2GND, L3, L4, L5GND: 207.5,83.06 205.1,85.45 205.1,100.86 210.04,105.79 222.14,105.79 224.3,103.63 245.95,103.63 245.95,84.2 220.49,84.2 219.35,83.06
GND_ADC on BOTTOM: 218.07,100.65 219.84,102.41 219.84,103.86 220.12,104.14 223.8,104.14 224.31,103.63 245.95,103.63 245.95,84.2 245.95,84.2 221.41,84.2 221.03,84.58 221.03,86.66 220.75,86.94 220.75,88.57 220.6,88.72 220.6,91.03 220.75,91.19 221.16,91.19 223.14,89.2 223.88,89.2 224.21,88.87 233.17,88.87 233.3,89 233.3,91.03 233.17,91.16 224.56,91.16 221.59,94.13 221.59,95.22 222.1,95.73 222.1,96.09 221.97,96.22 221.51,96.22 220.84,95.54 219.54,95.54 219.2,95.89 219.2,96.22 219.41,96.42 220.45,96.42 220.62,96.24 220.93,96.24 222.1,97.41 222.1,97.97 221.92,98.15 221.31,98.15 221.13,97.97 220.8,97.97 220.75,98.02 220.75,98.4 221.13,98.78 221.13,99.16 219.91,100.38 219.68,100.38 219.13,99.82 218.26,99.82 218.07,100.01
GND_SIGNAL on TOP (solid shape): 230.87,109.76 233.66,109.76 233.79,109.64 235.34,109.64 235.36,109.64 235.82,109.64 235.95,109.51 235.95,109.38 235.82,109.26 233.82,109.26 233.82,109.26 233.03,109.26 233.03,109.26 233.03,109.3 232.99,109.3 232.9,109.38 230.85,109.38 230.75,109.44 230.66,109.52 230.31,109.88 230.21,109.96 230.09,110.04 229.98,110.14 229.68,110.14 229.66,110.15 229.38,110.15 229.16,110.19 228.97,110.3 228.97,110.4 229.09,110.53 230.11,110.53
GND_SIGNAL on TOP: 231.26,107.57 229.58,109.26 227.57,109.26 227.44,109.38 227.44,110.27 227.57,110.4 227.95,110.4 228.2,110.14 228.2,109.51 228.33,109.38 229.96,109.38 230.46,108.87 231.76,108.87 232.27,108.37 233.28,108.37 233.41,108.24 236.33,108.24 236.84,108.75 236.84,109.13 236.97,109.26 242.68,109.26 242.81,109.38 242.81,110.65 242.68,110.78 240.65,110.78 240.52,110.65 231.25,110.65 231.12,110.78 231.12,111.8 230.87,112.05 229.85,112.05 229.73,111.92 229.73,110.78 229.6,110.65 229.09,110.65 228.97,110.78 228.97,111.92 228.84,112.05 217.03,112.05 216.9,112.18 216.9,123.23 217.03,123.35 217.79,123.35 217.92,123.23 217.92,122.08 218.04,121.96 231,121.96 231.12,122.08 231.12,123.23 231.25,123.35 232.65,123.35 234.84,121.16 245.95,121.16 245.95,107.57
GND_SIGNAL on BOTTOM: 231.25,107.57 229.56,109.26 218.26,109.26 216.53,110.98 216.53,125.41 217,125.88 219.42,125.88 220.34,124.96 222.01,124.96 222.48,124.49 222.48,123.85 222.9,123.43 232.58,123.43 234.84,121.16 245.94,121.16 245.95,121.15 245.95,107.57
GND_SIGNAL on L2GND, L3, L4: 231.25,107.57 229.59,109.22 218.29,109.22 216.53,110.98 216.53,125.42 217,125.88 219.43,125.88 220.34,124.97 222.02,124.97 222.5,124.48 222.5,123.85 222.91,123.44 232.56,123.44 234.84,121.16 245.95,121.16 245.95,107.57
GND_SIGNAL on L5GND: 245.95,107.47 245.85,107.57 231.25,107.57 229.59,109.22 218.29,109.22 216.53,110.98 216.53,125.42 217,125.88 219.43,125.88 220.34,124.97 222.02,124.97 222.5,124.48 222.5,123.85 222.91,123.44 232.56,123.44 234.84,121.16 245.95,121.16
VBAT on TOP: 1.14,77.34 5.08,77.34 5.87,78.13 13.69,78.13 15.49,76.33 15.49,73.41 15.24,73.15 0.76,73.15 0.51,73.41 0.51,76.71
VBAT-H on TOP: 7.92,68.33 10.33,68.33 10.58,68.58 10.58,71.41 10.33,71.67 7.92,71.67 7.67,71.41 7.67,68.58
VBAT-H on TOP: 27.23,84.71 28.12,84.71 28.24,84.84 28.24,87.08 28.12,87.21 27.23,87.21 27.1,87.08 27.1,84.84
VBAT-H on TOP: 16.62,99.38 19.53,99.38 19.66,99.5 19.66,103.29 19.47,103.48 16.69,103.48 16.47,103.26 16.47,99.53
VBAT-H on BOTTOM: 8.36,68.86 15.14,68.86 15.14,68.91 15.77,69.55 15.77,82.22 17.14,83.59 28.12,83.59 28.55,84.02 28.55,86.72 27.81,87.45 19.56,87.45 18.62,88.39 18.62,103 17.88,103.73 10.74,103.73 9.91,102.9 9.91,74.98 9.17,74.24 7.85,74.24 7.39,73.79 7.39,69.82
VBUS on TOP: 50.29,101.1 47.8,101.1 47.33,100.63 44.83,100.63 44.58,100.38 44.58,95.99 44.81,95.76 50.08,95.76 50.29,95.97
VBUS on BOTTOM: 44.83,100.63 44.58,100.38 44.58,95.99 44.81,95.76 50.08,95.76 50.29,95.97 50.29,100.2 49.86,100.63
VBUS-5V-1 on TOP: 188.32,68.1 188.35,68.07 191.22,68.07 191.4,67.89 191.4,67.15 191.95,66.6 194.13,66.6 194.97,65.76 200.63,65.76 201.12,66.24 201.12,67.56 200.81,67.87 196.6,67.87 194.89,69.57 192.02,69.57 191.29,68.83 188.35,68.83 188.32,68.81
VBUS-5V-1 on BOTTOM: 191.49,68.81 192.38,68.81 192.74,68.45 193.29,68.45 193.37,68.38 193.37,67.39 193.09,67.11 191.64,67.11 191.31,67.44 191.31,68.63
VBUS-5V-2 on TOP: 243.46,29.59 242.06,28.19 240.03,28.19 239.27,28.96 239.27,30.86 236.47,33.66 225.3,33.66 224.54,34.42 224.54,35.94 224.79,36.2 225.81,36.2 226.82,37.21 231.78,37.21 232.79,38.23 236.98,38.23 239.14,40.39 239.14,43.56 239.52,43.94 242.7,43.94 243.46,43.18
VBUS-AXP515-ONBOARD on TOP: 24.54,77.39 24.54,78.41 25.87,79.74 25.87,80.04 26.61,80.77 31.89,80.77 33.55,82.44 35.75,82.44 35.95,82.23 36.44,82.23 36.5,82.17 36.5,81.95 36.61,81.84 36.83,81.84 36.89,81.78 36.89,81.62 36.83,81.56 36.25,81.56 35.34,80.65 34.99,80.65 33.46,79.12 31.47,79.12 31.13,79.46 27.43,79.46 25.34,77.37 24.56,77.37
VBUS-AXP515-ONBOARD on BOTTOM: 34.23,80.12 36.72,80.12 36.84,80.25 36.84,82.78 36.72,82.91 34.23,82.91 34.1,82.78 34.1,80.25
VBUS-BMU-ONBOARD on TOP: 21.78,74.02 23.18,74.02 23.19,74 23.19,72.89 23.89,72.19 27.8,72.19 28.09,71.89 28.09,68.86 27.77,68.54 21.98,68.54 21.77,68.76 21.77,74
VCC33-VL on BOTTOM: 37.72,138.94 41.17,138.94 41.43,139.19 41.43,140.39 41.1,140.72 37.72,140.72 37.59,140.59 37.59,139.06
VCC-1V8 on TOP: 153.01,58.71 153.59,58.71 153.72,58.84 153.72,61.4 153.59,61.53 153.01,61.53 152.88,61.4 152.88,58.84
VCC-3V3 on TOP: 206.83,32.92 206.83,35.43 204.61,37.66 204.61,43.22 204.8,43.41 206.65,43.41 206.71,43.36 206.71,38.81 209.04,36.47 209.04,34.06 216.08,27.03 220.04,27.03 221.28,25.78 221.28,21.13 221.06,20.9 219.1,20.9 218.72,21.29 218.72,24.38 218.47,24.64 215.11,24.64
VCC-3V3 on TOP: 58.93,133.6 60.2,133.6 60.33,133.48 60.33,131.44 60.2,131.32 58.93,131.32 58.8,131.44 58.8,133.48
VCC-3V3 on TOP: 206.63,159.38 207.39,159.38 207.52,159.51 207.52,161.04 205.36,163.19 204.6,163.19 204.34,162.94 204.34,162.56 204.98,161.93 205.36,161.93 206.5,160.78 206.5,159.51
VCC-3V3 on TOP: 66.75,168.96 67.18,168.96 67.23,168.91 67.23,165.71 67.08,165.56 58.85,165.56 58.8,165.61 58.8,167.18 58.83,167.21 59.33,167.21 59.41,167.13 59.41,166.93 59.64,166.7 66.42,166.7 66.7,166.98 66.7,168.91
VCC-3V3 on TOP: 162.66,20.54 165.15,20.54 165.28,20.66 165.28,22.29 165.15,22.42 162.66,22.42 162.53,22.29 162.53,20.66
VCC-3V3 on TOP: 36.96,141.73 37.97,141.73 38.23,141.48 38.23,133.58 38,133.35 36.91,133.35 36.7,133.55 36.7,141.48
VCC-3V3 on TOP: 162.59,95.12 163.83,93.88 163.83,92.38 163.19,91.74 83.49,91.74 73.4,81.66 67.21,81.66 66.88,81.99 66.88,84.79 67.06,84.96 72.04,84.96 82.12,95.05 112.34,95.05 113.06,95.76 119.66,95.76 120.29,95.12
VCC-3V3 on TOP: 231.56,129.91 233.4,129.91 233.53,130.04 233.53,131.57 233.4,131.7 231.56,131.7 231.43,131.57 231.43,130.04
VCC-3V3 on TOP: 72.77,141.86 72.77,139.32 72.9,139.19 73.79,139.19 73.91,139.32 73.91,140.84 75.06,141.99 75.06,162.18 76.71,163.83 76.71,166.62 76.45,166.88 74.93,166.88 74.8,166.75 74.8,164.47 73.66,163.32 73.66,142.75
VCC-3V3 on TOP: 153.91,58.85 153.91,61.46 153.62,61.75 153.62,63.17 154.72,64.27 163.91,64.27 164.34,63.84 164.34,62.62 164.06,62.34 157.19,62.34 156.46,61.62 155.49,61.62 155.21,61.34 155.21,58.84 155.13,58.76 154,58.76
VCC-3V3 on BOTTOM: 139.65,164.52 140.79,164.52 140.87,164.44 140.87,162.03 140.44,161.59 137.74,161.59 136.98,160.83 136.98,160.12 136.93,160.07 136.14,160.07 136.12,160.1 136.12,161.42 137.21,162.51 139.34,162.51 139.57,162.74 139.57,164.44
VCC-3V3 on BOTTOM: 213.64,110.62 212.85,111.4 212.85,127.25 217.3,131.7 233.55,131.7 233.81,131.44 233.81,129.54 233.68,129.41 218.95,129.41 215.77,126.24 215.77,110.87 215.52,110.62
VCC-3V3 on BOTTOM: 218.06,106.3 220.73,106.3 220.98,106.55 220.98,107.7 220.73,107.95 218.06,107.95 217.93,107.82 217.93,106.43
VCC-3V3 on BOTTOM: 66.17,165.48 75.31,165.48 75.44,165.61 75.44,166.88 75.31,167 66.17,167 66.04,166.88 66.04,165.61
VCC-3V3 on BOTTOM: 204.47,161.8 205.61,161.8 205.74,161.93 205.74,163.07 205.61,163.19 204.47,163.19 204.34,163.07 204.34,161.93
VCC-3V3 on BOTTOM: 36.96,140.97 38.86,140.97 39.12,141.22 39.12,143 38.99,143.13 36.96,143.13 36.83,143 36.83,141.1
VCC-3V3 on BOTTOM: 58.8,133.99 58.93,134.11 63.37,134.11 63.5,133.99 72.29,133.99 72.64,134.34 72.64,141.99 72.77,142.11 74.42,142.11 74.55,141.99 74.55,140.84 74.42,140.72 74.42,134.49 74.8,134.11 103.23,134.11 104.5,135.38 104.5,158.72 105.69,159.92 118.8,159.92 118.92,159.79 118.92,157.66 118.87,157.61 117.09,157.61 116.51,158.19 106.78,158.19 106.22,157.63 106.22,149.86 106.63,149.45 106.63,147.17 106.22,146.76 106.22,138.76 107.47,137.52 121.41,137.52 121.79,137.13 121.79,132.72 121.54,132.46 119.79,132.46 119.66,132.59 119.66,134.09 119.33,134.42 110.29,134.42 110.06,134.19 110.06,132.66 109.86,132.46 75.69,132.46 75.18,131.95 58.93,131.95 58.8,132.08
VCC-3V3 on L3: 38.66,136.45 58.55,136.45 60.2,134.8 60.2,132.64 60.02,132.46 58.45,132.46 57.61,133.3 36.93,133.3 36.7,133.53 36.7,134.49
VCC-3V3 on L3: 207.01,103.86 207.39,104.24 207.39,106.71 207.01,107.09 169.19,107.09 169.04,106.93 169.04,104.39 169.29,104.14 170.21,104.14 170.48,103.86
VCC-3V3 on L3: 213.74,111.51 215.39,111.51 215.9,111 215.9,110.49 218.19,108.2 221.23,108.2 221.36,108.08 221.36,106.81 221.11,106.55 217.04,106.55 213.61,109.98 213.61,111.38
VCC-3V3 on L3: 118.21,160.45 119.02,161.26 137.95,161.26 138.81,160.4 155.83,160.4 157.73,162.31 166.37,162.31 166.62,162.05 166.62,159.26 166.23,158.86 164.48,158.86 162.39,156.78 124.96,156.78 124.21,156.03 118.67,156.03 118.21,156.49
VCC-3V3 on L3: 172.19,55.7 183.18,55.7 190.14,48.74 190.14,45.09 190.4,44.83 191.95,44.83 193.37,43.41 205.21,43.41 205.77,42.85 205.77,40.39 205.26,39.88 189.99,39.88 186.75,43.12 186.75,47.21 181.69,52.27 172.47,52.27 171.98,52.76 171.98,55.5
VCC-3V3 on L3: 204.47,164.21 207.14,164.21 207.77,164.85 209.42,164.85 210.06,164.21 231.39,164.21 232.54,163.07 232.54,133.99 232.28,133.73 232.28,132.84 233.3,131.83 233.3,130.05 233.17,129.92 231.39,129.92 230.5,130.81 230.5,160.66 228.98,162.18 204.34,162.18 204.22,162.31 204.22,163.96
VCC-3V3 on L4: 209.17,111.89 215.39,111.89 215.52,111.76 215.52,110.49 215.39,110.36 211.07,110.36 209.93,109.22 207.01,109.22 203.96,106.17 203.96,104.52 203.71,104.27 202.31,104.27 202.18,104.39 202.18,107.19 206.5,111.51 208.79,111.51
VCC-3V3 on L4: 162.15,21.77 164.92,21.77 165.05,21.89 165.05,43.43 173.61,51.99 173.61,59.05 165.05,67.61 165.05,97.9 170.88,103.73 170.88,125.27 167.17,128.98 167.17,129.68 167.28,129.79 167.28,162.18 167.03,162.43 164.22,162.43 163.97,162.18 163.97,125.91 168.38,121.5 168.38,105.46 162.03,99.11 162.03,63.45 168.15,57.33 168.15,53.29 162.03,47.17 162.03,21.89
VCC-3V3-CODEC on BOTTOM: 116.51,153.37 118.11,153.37 118.72,153.97 119.79,153.97 119.86,153.9 119.86,153.03 119.81,152.98 118.54,152.98 118.24,152.68 118.24,150.8 118.08,150.65 116.33,150.65 116.15,150.83 116.15,152.27 116.38,152.5 116.38,153.24
VCC-3V3-DEV on TOP: 155.4,61.32 156.31,61.32 156.41,61.21 156.41,57.89 156.08,57.56 154.25,57.56 154.15,57.66 154.15,58.55 154.28,58.67 155.22,58.67 155.32,58.78 155.32,61.24
VCC-3V3-DEV on TOP: 173.84,145.29 174.73,145.29 174.83,145.19 174.83,144.53 174.9,144.45 174.9,143.89 174.7,143.69 173.91,143.69 173.79,143.81 173.79,145.24
VCC-3V3-DEV on TOP: 194.08,59.21 195.22,59.21 195.35,59.33 195.35,60.45 195.2,60.6 194.11,60.6 193.95,60.45 193.95,59.33
VCC-3V3-DEV on BOTTOM: 174.24,143.89 173.23,143.89 173.1,144.02 173.1,147.57 174.5,148.97 174.5,150.11 175.77,151.38 179.2,151.38 179.96,152.15 179.96,158.37 180.21,158.62 181.1,158.62 181.36,158.37 181.36,150.88 180.59,150.11 177.93,150.11 174.37,146.56 174.37,144.02
VCC-3V3-DEV on L3: 154.69,64.9 166.85,64.9 170.1,61.65 182.25,61.65 183.01,62.41 194.69,62.41 195.3,61.8 195.3,60.35 195,60.05 194.18,60.05 193.45,60.78 184.38,60.78 183.92,60.33 168.78,60.33 165.48,63.63 154.69,63.63 154.56,63.75 154.56,64.77
VCC-3V3-DEV on L3: 157.23,143.64 170.05,143.64 170.43,143.26 173.86,143.26 174.5,143.89 174.5,145.41 174.37,145.54 170.43,145.54 170.05,145.16 168.15,145.16 167.77,144.78 163.45,144.78 163.07,145.16 157.23,145.16 157.1,145.03 157.1,143.76
VCC-3V3-DEV on L4: 154.31,57.53 155.45,57.53 155.57,57.66 155.57,109.73 152.2,113.11 152.2,141.76 153.52,143.08 157.81,143.08 158.37,143.64 158.37,145.03 158.24,145.16 152.5,145.16 150.32,142.98 150.32,112.45 154.17,108.6 154.17,70.93 154.43,70.66 154.43,59.05 154.18,58.8 154.18,57.66
VCC-3V3-PCIE on TOP: 191.9,47.62 192.41,48.13 193.17,48.13 194.06,49.02 194.06,57.28 193.93,57.4 193.29,57.4 193.17,57.53 193.17,58.67 193.68,59.18 193.68,60.12 193.27,60.53 191.47,60.53 191.01,60.07 191.01,56.64 192.15,55.5 192.15,52.32 191.01,51.18 191.01,45.06 191.08,44.98 191.82,44.98 191.9,45.06
VCC-3V3-PCIE on TOP: 224.87,81.58 224.87,80.19 225.06,80 225.89,80 226.29,80.39 227.36,80.39 227.46,80.5 227.46,81.59 227.37,81.69 224.97,81.69
